# Altium PCB MCISO-P01-V04.PcbDoc (part 1 of 2)
Units mm, origin at the board's own origin, x right, y up, seen from the top; angles counter-clockwise.
Board outline 79.85 x 119.25 mm, 2 copper layers (Top Layer, Bottom Layer), stack 1.57 mm thick; 122 components, 80 nets, 453 pads, 48 vias.
Unrouted connection lines stored in the file: 3.
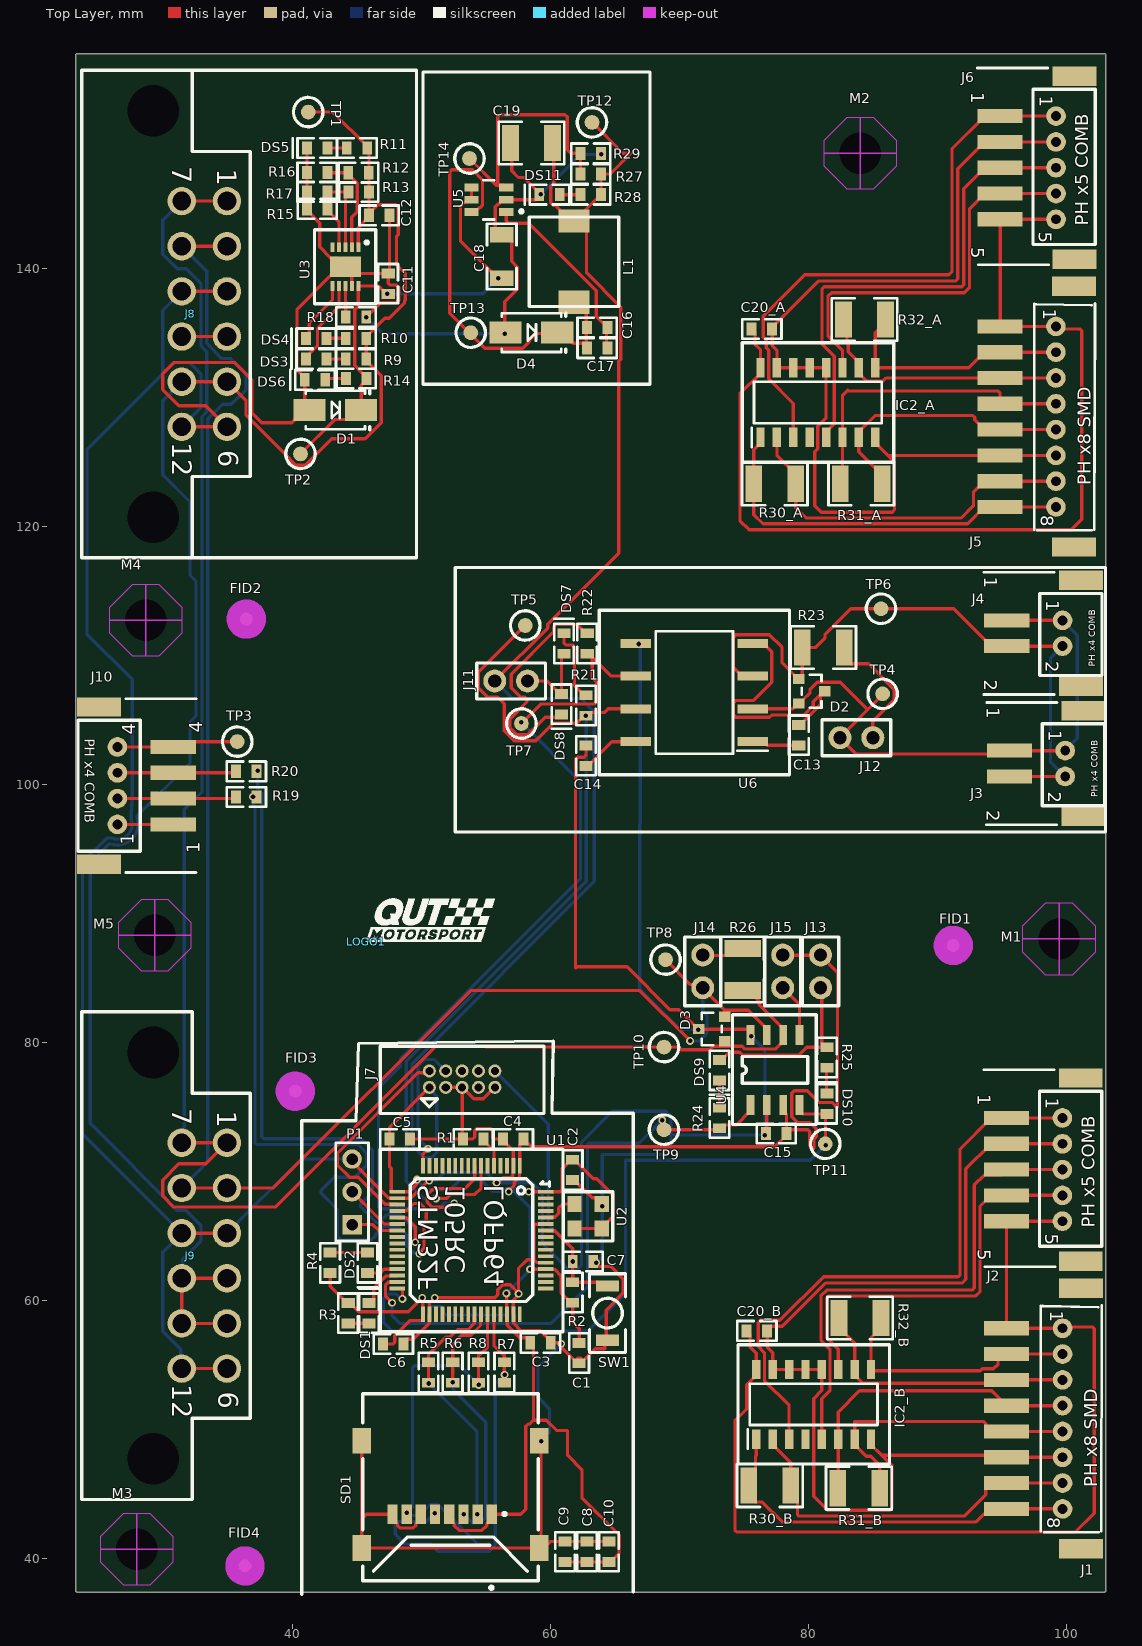
[diagram p0: Top Layer view]
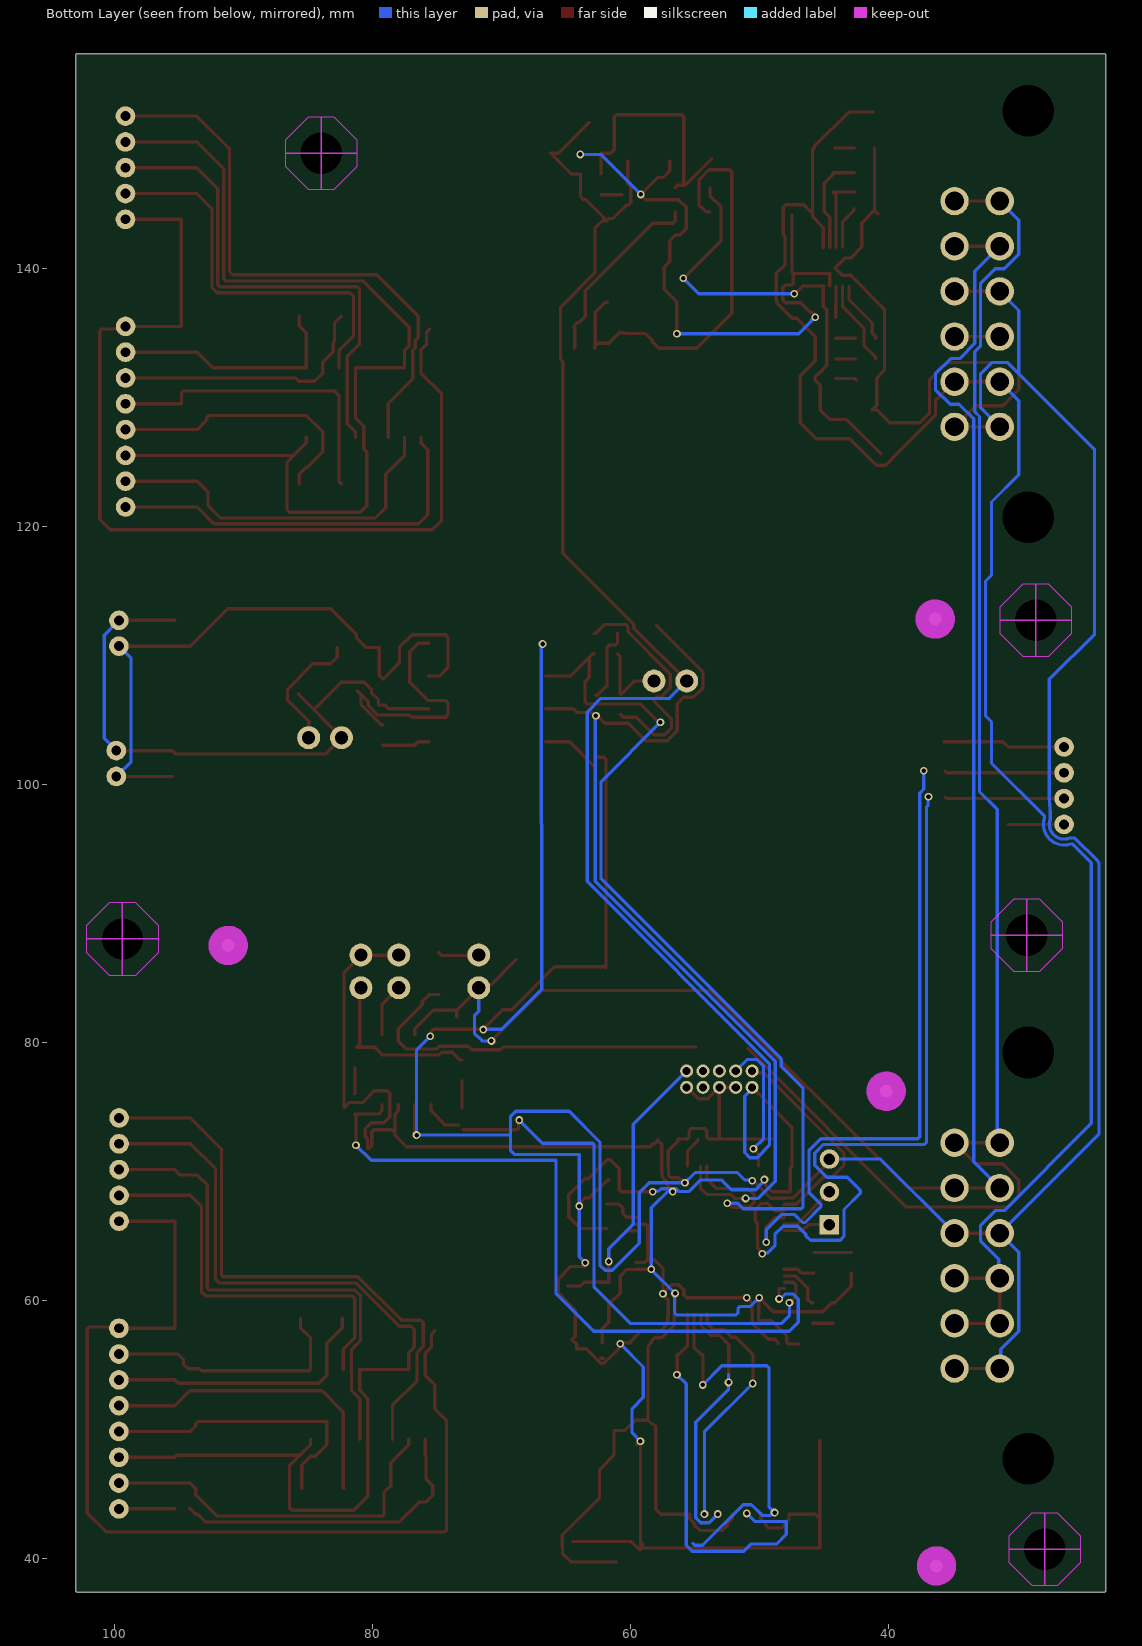
[diagram p1: Bottom Layer view, seen from below]
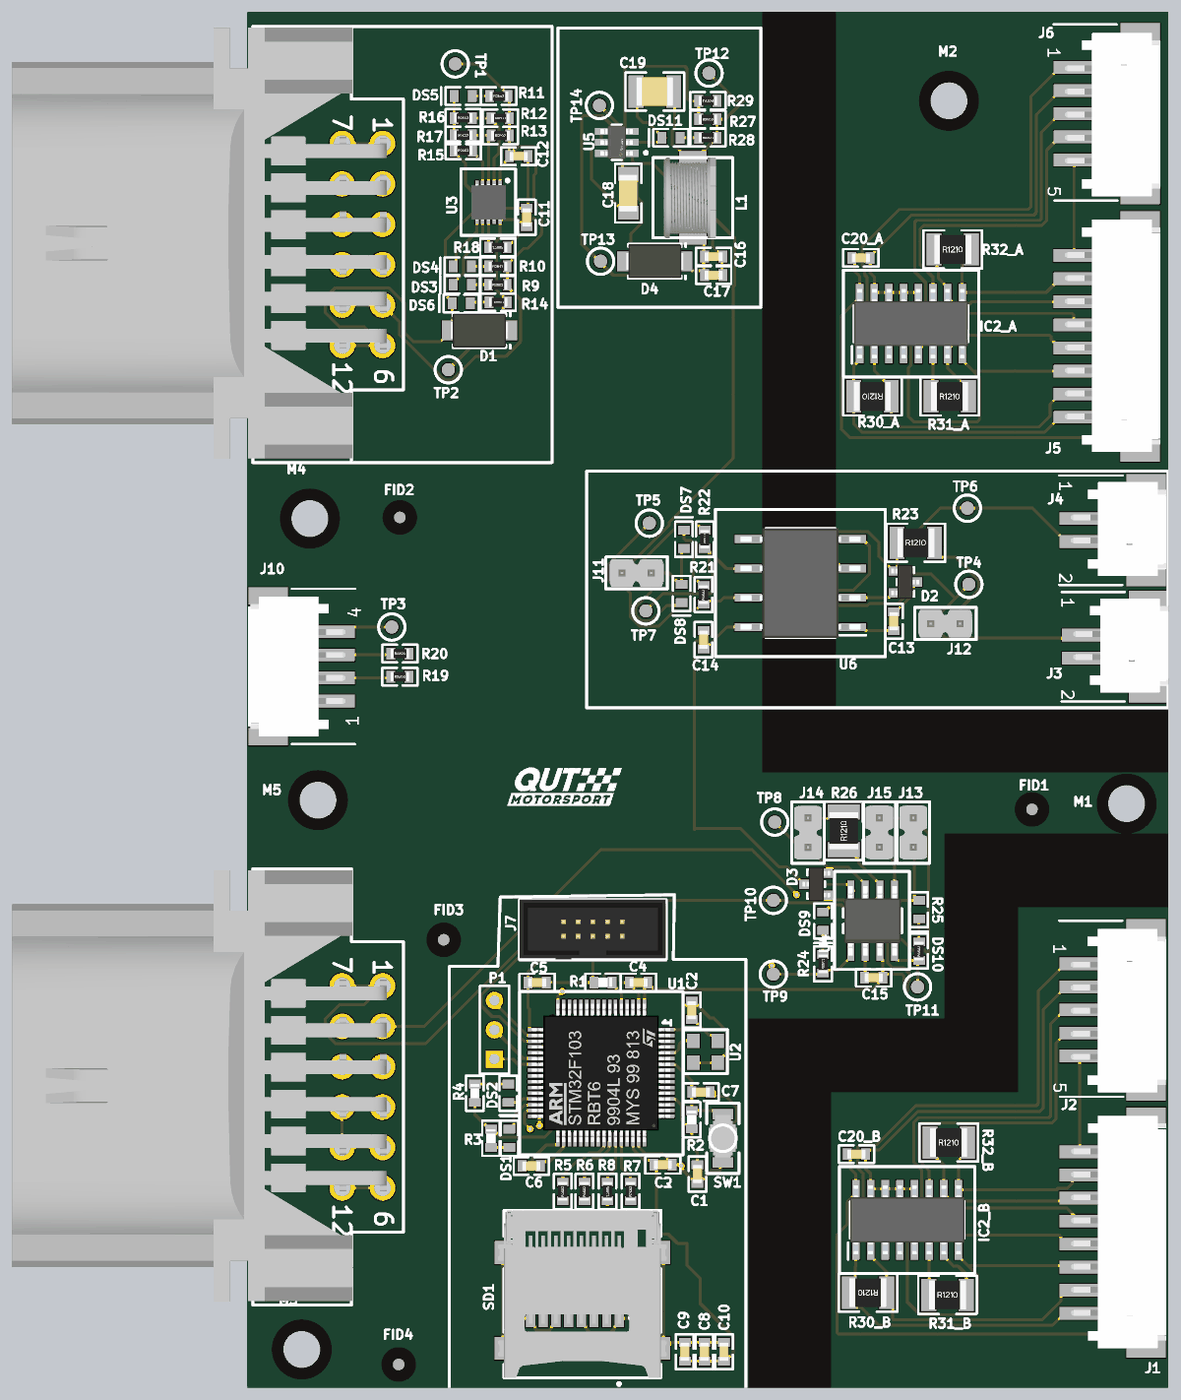
[diagram p3: 3D render of the assembled board from above, using the file's embedded part models]

## Layer stack, top to bottom
Top Solder: solder mask 0.0102, Solder Resist, Dk 3.5
Top Layer: signal copper 0.0356
Dielectric 1: core 1.4986, Core-043, Dk 4.3
Bottom Layer: signal copper 0.0356
Bottom Solder: solder mask 0.0102, Solder Resist, Dk 3.5

## Board outline
23.3,37.373 cw(c23.3,37.5) 23.173,37.5 23.173,156.5 cw(c23.3,156.5) 23.3,156.627 102.9,156.627 cw(c102.9,156.5) 103.027,156.5 103.027,37.5 cw(c102.9,37.5) 102.9,37.373

## Design rules (kind name [scope] priority, off if disabled: settings)
Clearance [All] p1: gap=0.254 ignorepadtopadclearanceinfootprint=FALSE except(0: Arc-Hole Track-Hole SMDPad-Hole THPad-Hole Via-Hole Fill-Hole Poly-Hole Region-Hole Text-Hole; 0.152: SMDPad-SMDPad; 0.178: Arc-SMDPad Track-SMDPad; 0.2: Arc-Arc Arc-Track Track-Track)
PolygonConnect [All] p1: connectstyle=Relief reliefconductorwidth=0.254 reliefentries=4 polygonreliefangle="90 Angle" airgapwidth=0.254
RoomDefinition MCISO-S01-V00-Master [InComponentClass('MCISO-S01-V00-Master')] p1 off: confinementstyle=ConfineIn formatcopy=TRUE lockcomponents=FALSE outline 205.5,15.2 91.2,15.2 91.2,223.763 205.5,223.763
RoomDefinition U_MCISO-S03-V00-CAN_MAIN [InComponentClass('U_MCISO-S03-V00-CAN_MAIN')] p2 off: confinementstyle=ConfineIn formatcopy=TRUE lockcomponents=FALSE outline 44.6,69.9 89.4,69.9 89.4,137.4 44.6,137.4
RoomDefinition U_MCISO-S02-V00-12VProtection [InComponentClass('U_MCISO-S02-V00-12VProtection')] p3 off: confinementstyle=ConfineIn formatcopy=TRUE lockcomponents=FALSE outline 65.9,36 0.1,36 0.1,157.5 65.9,157.5
RoomDefinition U_MCISO-S04-V00-Microcontroller [InComponentClass('U_MCISO-S04-V00-Microcontroller')] p4 off: confinementstyle=ConfineIn formatcopy=TRUE lockcomponents=FALSE outline 32.4,52.4 67.8,52.4 67.8,94.6 32.4,94.6
RoomDefinition U_MCISO-S07-V00-Master-PSU3V3-300mA [InComponentClass('U_MCISO-S07-V00-Master-PSU3V3-300mA')] p5 off: confinementstyle=ConfineIn formatcopy=TRUE lockcomponents=FALSE outline 47.8,129.1 69.2,129.1 69.2,156.9 47.8,156.9
RoomDefinition U_MCISO-S05-V00-CANIsolation [InComponentClass('U_MCISO-S05-V00-CANIsolation')] p6 off: confinementstyle=ConfineIn formatcopy=TRUE lockcomponents=FALSE outline 52.225,100.103 87.325,100.103 87.325,115.51 52.225,115.51
RoomDefinition A [InComponentClass('A')] p7 off: confinementstyle=ConfineIn formatcopy=TRUE lockcomponents=FALSE outline 74.3,116.9 102.6,116.9 102.6,156.3 74.3,156.3
RoomDefinition B [InComponentClass('B')] p8 off: confinementstyle=ConfineIn formatcopy=TRUE lockcomponents=FALSE outline 73.8,36.925 103.1,36.925 103.1,78.8 73.8,78.8
RoutingVias [All] p1: holewidth=0.35 width=0.6 viastyle="Through Hole" minholewidth=0.35 minwidth=0.6 maxholewidth=0.35 maxwidth=0.6
SolderMaskExpansion [All] p1: expansion=0.102 istentingtop=FALSE
Width [All] p1: maxlimit=0.254 minlimit=0.254 preferedwidth=0.254
30 further rules are at their usual default settings.

## Classes and differential pairs
component class B: C20_B IC2_B R30_B R31_B R32_B
component class A: C20_A IC2_A R30_A R31_A R32_A
channel class MCISO-S06-V00-HALL_DIFFB: "DIFF A" "DIFF B"
component class U_MCISO-S07-V00-Master-PSU3V3-300mA: C16 C17 C18 C19 D4 DS11 R27 R28 R29 TP12 TP13 TP14 U5
component class U_MCISO-S03-V00-CAN_MAIN: C15 D3 DS9 DS10 J13 J14 J15 R24 R25 R26 TP9 TP10 TP11 U4
component class U_MCISO-S02-V00-12VProtection: C8 C9 C10 C11 C12 D1 DS3 DS4 DS5 DS6 J8 J9 J10 R5 R6 R7 R8 R9 R10 R11 R12 R13 R14 R15 R16 R17 R18 R19 R20 SD1 TP1 TP2 TP3 U3
component class U_MCISO-S05-V00-CANIsolation: C13 C14 D2 DS7 DS8 J11 J12 R21 R22 R23 TP4 TP5 TP6 TP7 U6
component class U_MCISO-S04-V00-Microcontroller: C1 C2 C3 C4 C5 C6 C7 DS1 DS2 J7 P1 R1 R2 R3 R4 SW1 U1 U2
component class MCISO-S01-V00-Master: Connector? FID1 FID2 FID3 FID4 J1 J2 J3 J4 J5 J6 LOGO1 M1 M2 M3 M4 M5 NCM?

## Components (designator, comment, footprint, x,y, rotation, side; value= is the part's Value field where it differs from the comment)
C1 "100nF" Cap_Ceramic_0603 62.2,55.9 r90 top
C2 "100nF" Cap_Ceramic_0603 61.7,70.1 r90 top
C3 "100nF" Cap_Ceramic_0603 59.2,56.7 r180 top
C4 "100nF" Cap_Ceramic_0603 57.1,72.5 r0 top
C5 "4u7" Cap_Ceramic_0603 48.3,72.5 r180 top
C6 "100nF 100V" Cap_Ceramic_0603 47.8,56.6 r180 top
C7 "100nF 100V" Cap_Ceramic_0603 62.5,63 r180 top
C8 "4u7" Cap_Ceramic_0603 62.8,40.5 r270 top
C9 "1uF" Cap_Ceramic_0603 61.1,40.5 r270 top
C10 "100nF" Cap_Ceramic_0603 64.5,40.5 r270 top
C11 "4u7 50V 5%" Cap_Ceramic_0603 47.4,138.8 r270 top
C12 "470nF 50V 5%" Cap_Ceramic_0603 46.7,144.1 r180 top
C13 "4u7" Cap_Ceramic_0603 79.225,103.803 r270 top
C14 "4u7" Cap_Ceramic_0603 62.725,102.203 r270 top
C15 "100nF 100V" Cap_Ceramic_0603 77.48,72.919 r0 top
C16 "100nF 50V" Cap_Ceramic_0603 63.6,135.4 r180 top
C17 "100nF 50V" Cap_Ceramic_0603 63.6,133.8 r180 top
C18 "22uF 35V" Cap_Ceramic_1206 56.2,140.9 r90 top
C19 "47uF 16V 1210" Cap_Ceramic_1210 58.5,149.7 r0 top
C20_A "0.1u" Cap_Ceramic_0603 76.366,135.287 r180 top (schematic designator C20)
C20_B "0.1u" Cap_Ceramic_0603 75.979,57.625 r180 top (schematic designator C20)
D1 "1N4448WQ-7-F" SMA 43.3,129 r0 top
D2 "NUP2105L" NUP2105L 80.225,107.203 r270 top
D3 "NUP2105L" NUP2105L 72.48,81.019 r90 top
D4 "B260A-13-F" SMA 58.5,135 r0 top
DS1 "LED Orange" "LED ORANGE 0603" 45.9,59 r90 top
DS2 "LED Orange" "LED ORANGE 0603" 45.8,62.9 r270 top
DS3 "LED Red 0603" "LED RED 0603" 41.811,132.962 r180 top
DS4 "LED Red 0603" "LED RED 0603" 41.811,134.562 r180 top
DS5 "LED Green 0603" "LED GREEN 0603" 41.89,149.313 r180 top
DS6 "LED Green 0603" "LED GREEN 0603" 41.721,131.349 r180 top
DS7 "LED Blue 0603" "LED BLUE 0603" 61.025,110.903 r90 top
DS8 "LED Blue 0603" "LED BLUE 0603" 60.825,106.203 r270 top
DS9 "LED Blue 0603" "LED BLUE 0603" 73.08,77.819 r270 top
DS10 "LED Blue 0603" "LED BLUE 0603" 81.409,78.812 r270 top
DS11 "LED Green 0603" "LED GREEN 0603" 59.9,145.7 r180 top
FID1 "Fiducial 1MM" "FIDUCIAL 1MM" 91.2,87.5 r0 top
FID2 "Fiducial 1MM" "FIDUCIAL 1MM" 36.4,112.8 r90 top
FID3 "Fiducial 1MM" "FIDUCIAL 1MM" 40.2,76.2 r90 top
FID4 "Fiducial 1MM" "FIDUCIAL 1MM" 36.3,39.4 r90 top
IC2_A "AM26LS32ACDR" SOIC127P600X175-16N 80.708,129.587 r90 top (schematic designator IC2)
IC2_B "AM26LS32ACDR" SOIC127P600X175-16N 80.379,51.925 r90 top (schematic designator IC2)
J1 "JST PH 8x Right comb" "JST PH 8x RIGHT SMD" 102.589,52.825 r270 top
J2 "JST PH 5x RIGHT COMB" "JST PH 5x RIGHT COMB" 102.579,71.125 r270 top
J3 "JST PH 2x RIGHT COMB" "JST PH 2x RIGHT COMB" 102.8,99.6 r270 top
J4 "JST PH 2x RIGHT COMB" "JST PH 2x RIGHT COMB" 102.6,109.7 r270 top
J5 "JST PH 8x Right comb" "JST PH 8x RIGHT SMD" 102.066,130.487 r270 top
J6 "JST PH 5x RIGHT COMB" "JST PH 5x RIGHT COMB" 102.087,148.787 r270 top
J7 "IDC 10P 2x5 1.27mm" "IDC 1.27MM 10P" 53.13,77.135 r0 top
J8 "MX120G" MX120G 34.9,136.45 r270 top
J9 "MX120G" MX120G 34.9,63.45 r270 top
J10 "JST PH 4x RIGHT COMB" "JST PH 4x RIGHT COMB" 23.487,99.883 r90 top
J11 "Jumper 2Way Pins" Jumper_2Way_Pin 58.2,108 r0 top
J12 "Jumper 2Way Pins" Jumper_2Way_Pin 84.965,103.603 r0 top
J13 "Jumper 2Way Pins" Jumper_2Way_Pin 80.919,84.219 r270 top
J14 "Jumper 2Way Pins" Jumper_2Way_Pin 71.78,86.759 r90 top
J15 "Jumper 2Way Pins" Jumper_2Way_Pin 77.98,84.219 r270 top
L1 "47uH inductor" SDR7045-470K 61.8,140.5 r180 top
LOGO1 "50mm Wide QUTMS Logo" "QUTMS LOGO 10MM" 45.7,87.8 r0 top
M1 "Hole M3 Tight Unplated" "M3.2 UNPLATED" 99.4,88 r0 top
M2 "Hole M3 Tight Unplated" "M3.2 UNPLATED" 84,148.9 r0 top
M3 "Hole M3 Tight Unplated" "M3.2 UNPLATED" 27.9,40.7 r0 top
M4 "Hole M3 Tight Unplated" "M3.2 UNPLATED" 28.6,112.7 r0 top
M5 "Hole M3 Tight Unplated" "M3.2 UNPLATED" 29.3,88.3 r0 top
P1 "Header 3" HDR1X3 44.6,65.86 r90 top
R1 "10k 1% 0603" Res_ThinFilm_0603 54,72.5 r0 top
R2 "4k7" Res_ThinFilm_0603 61.7,60.6 r270 top
R3 "330R" Res_ThinFilm_0603 44.3,59 r90 top
R4 "330R" Res_ThinFilm_0603 42.9,62.9 r270 top
R5 "220R" Res_ThinFilm_0603 50.52,54.4 r90 top
R6 "220R" Res_ThinFilm_0603 52.4,54.4 r90 top
R7 "220R" Res_ThinFilm_0603 56.4,54.4 r90 top
R8 "220R" Res_ThinFilm_0603 54.4,54.4 r270 top
R9 "4k7 5% 0603" Res_ThinFilm_0603 44.905,132.962 r0 top
R10 "4k7 5% 0603" Res_ThinFilm_0603 44.904,134.562 r0 top
R11 "4k7 5% 0603" Res_ThinFilm_0603 44.984,149.313 r0 top
R12 "2M2 1%" Res_ThinFilm_0603 45.1,147.4 r0 top
R13 "2M2 1%" Res_ThinFilm_0603 45.113,145.9 r0 top
R14 "4k7 5% 0603" Res_ThinFilm_0603 44.921,131.449 r0 top
R15 "150k 5% 0603" Res_ThinFilm_0603 41.9,144.6 r0 top
R16 "390k 5%" Res_ThinFilm_0603 41.89,147.413 r0 top
R17 "240k 5%" Res_ThinFilm_0603 41.89,145.913 r0 top
R18 "1k 5% 0603" Res_ThinFilm_0603 44.9,136.2 r180 top
R19 "22R" Res_ThinFilm_0603 36.4,99 r0 top
R20 "22R" Res_ThinFilm_0603 36.407,101 r0 top
R21 "330R" Res_ThinFilm_0603 62.725,106.103 r90 top
R22 "330R" Res_ThinFilm_0603 62.825,110.903 r90 top
R23 "120R 1% 1210" Res_ThinFilm_1210 81.125,110.603 r0 top
R24 "330R" Res_ThinFilm_0603 73.08,74.119 r90 top
R25 "330R" Res_ThinFilm_0603 81.409,75.219 r90 top
R26 "120R 1% 1210" Res_ThinFilm_1210 74.88,85.641 r90 top
R27 "64k9 1%" Res_ThinFilm_0603 63.1,147.3 r0 top
R28 "1k" Res_ThinFilm_0603 63.1,145.7 r0 top
R29 "19k6 1%" Res_ThinFilm_0603 63.1,148.9 r180 top
R30_A "120R" Res_ThinFilm_1210 77.366,123.287 r180 top (schematic designator R30)
R30_B "120R" Res_ThinFilm_1210 76.979,45.625 r180 top (schematic designator R30)
R31_A "120R" Res_ThinFilm_1210 84.066,123.287 r0 top (schematic designator R31)
R31_B "120R" Res_ThinFilm_1210 83.879,45.425 r0 top (schematic designator R31)
R32_A "120R" Res_ThinFilm_1210 84.327,136.025 r0 top (schematic designator R32)
R32_B "120R" Res_ThinFilm_1210 83.979,58.625 r0 top (schematic designator R32)
SD1 "47219-2001" 47219-2001 52.225,44.95 r180 top
SW1 "B3U-1000P" "BTN B3U-1000P" 64.4,59 r90 top
TP1 "TestPoint" TestPointSMD 41.2,152.1 r270 top
TP2 "TestPoint" TestPointSMD 40.6,125.6 r270 top
TP3 "TestPoint" TestPointSMD 35.7,103.3 r0 top
TP4 "TestPoint_SMD" TestPointSMD 85.725,107.003 r0 top
TP5 "TestPoint_SMD" TestPointSMD 58.025,112.303 r0 top
TP6 "TestPoint_SMD" TestPointSMD 85.6,113.6 r0 top
TP7 "TestPoint_SMD" TestPointSMD 57.725,104.703 r0 top
TP8 "TestPoint_SMD" TestPointSMD 68.9,86.4 r90 top
TP9 "TestPoint_SMD" TestPointSMD 68.78,73.219 r90 top
TP10 "TestPoint_SMD" TestPointSMD 68.78,79.619 r180 top
TP11 "TestPoint_SMD" TestPointSMD 81.28,72.119 r180 top
TP12 "TestPoint_SMD" TestPointSMD 63.2,151.3 r0 top
TP13 "TestPoint_SMD" TestPointSMD 53.8,135 r180 top
TP14 "TestPoint_SMD" TestPointSMD 53.7,148.5 r180 top
U1 "STM32F105RC" STM32F105RC 59.6,68.407 r270 top
U2 "DSC1001DI1-008.0000T" DSC1001DI1-008.0000TCT-ND 62.9,66.5 r90 top
U3 "MAX17612A" MAX17612A 44.083,140.113 r270 top
U4 "SN65HVD233" SN65HVD233DR 77.38,77.849 r90 top
U5 "LMR14010ADDCR" FP-DDC0006A-MFG 55.2,145.3 r180 top
U6 "ISO1050DUBR" SOP254P1040X485-8N 71.125,107.11 r180 top

## Footprints (in the part's own frame and the unit in brackets; to place one, negate y for a bottom-side part, rotate by r counter-clockwise, add the part's x,y. Pads: shape width x height; smd on the part's side, far side on the other; paste and mask are expansions set on the pad)
47219-2001 [mm]
  rect 0.8x1.5 smd: 1(-3.205,1.55) 2(-2.105,1.55) 3(-1.005,1.55) 4(0.095,1.55) 5(1.195,1.55) 6(2.295,1.55) 7(3.395,1.55) 8(4.495,1.55)
  rect 1.45x2 smd: 9(6.875,4.15) 10(6.875,-4.15) 11(-6.875,-4.15) 12(-6.875,4.15)
  silkscreen extent -6.8,-7.8 6.8,7.36, body extent -7.3,-7.79 7.3,6.71, height 1.91
"BTN B3U-1000P" [mil] "OMRON B3U-1000P"
  rect 35x70 smd: 1(-82.68,0) 2(82.68,0)
  silkscreen extent -120,-55 120,55, body extent -79,-49 79,49
Cap_Ceramic_0603 [mil]
  rect 30x40 smd: 1(-31.24,0) 2(31.24,0)
  silkscreen extent -60,-30 60,30, body extent -31,-16 31,16, height 33
Cap_Ceramic_1206 [mil]
  rect 47x71 smd: 1(-66.08,0) 2(66.08,0)
  silkscreen extent -100,-45 100,45, body extent -63,-31 63,32, height 53
Cap_Ceramic_1210 [mm]
  rect 1.3x2.8 smd: 1(-1.625,0) 2(1.625,0)
  silkscreen extent -2.54,-1.65 2.54,1.65, body extent -1.6,-1.25 1.6,1.25, height 1.35
DSC1001DI1-008.0000TCT-ND [mm]
  rect 1.219x1.092 smd: 1(-0.95,-1.05) 2(0.95,-1.05) 3(0.95,1.05) 4(-0.95,1.05)
  silkscreen extent -1.91,-1.91 1.91,1.91, body extent -1.25,-1.6 1.25,1.6, height 0.85
"FIDUCIAL 1MM" [mm]
  round 1 smd mask+1: 1(0,0)
  round 1 smd far side mask+1: 1(0,0)
  Keep-Out Layer circle w1.524: c0,0 r0.762
FP-DDC0006A-MFG [mm]
  rect 1.1x0.6 smd paste+0 mask+0: 1(-1.35,0.95) 2(-1.35,0) 3(-1.35,-0.95) 4(1.35,-0.95) 5(1.35,0) 6(1.35,0.95)
  silkscreen extent -2.65,-1.53 0.43,1.53, body extent -2,-1.63 2,1.63, height 0.25
HDR1X3 [mm] "Connector; Header; 3 Position"
  rect 1.5x1.5 hole 0.9: 1(0,0)
  round 1.5 hole 0.9: 2(2.54,0) 3(5.08,0)
  silkscreen extent -1.27,-1.27 6.35,1.27
"IDC 1.27MM 10P" [mil]
  round 40 hole 25: 1(-100,-25) 2(-100,25) 3(-50,-25) 4(-50,25) 5(0,-25) 6(0,25) 7(50,-25) 8(50,25) 9(100,-25) 10(100,25)
  silkscreen extent -250,-105 250,100, body extent -249,-104 249,100, height 214
"JST PH 2x RIGHT COMB" [mm]
  round 1.524 hole 0.762: 1(-3,-2.921) 2(-1,-2.921)
  rect 1.1x3.5 smd: 1(-3,-7.25) 2(-1,-7.25)
  rect 1.5x3.4 smd: M(-6.1,-1.5) M(2.1,-1.5)
  silkscreen extent -6.73,-9.04 2.75,0.13, body extent -6.17,-8.03 1.97,0.23, height 5.89
"JST PH 4x RIGHT COMB" [mm]
  round 1.524 hole 0.762: 1(-3,-2.921) 2(-1,-2.921) 3(1,-2.921) 4(3,-2.921)
  rect 1.1x3.5 smd: 1(-3,-7.25) 2(-1,-7.25) 3(1,-7.25) 4(3,-7.25)
  rect 1.5x3.4 smd: M(-6.1,-1.5) M(6.1,-1.5)
  silkscreen extent -6.73,-9.02 6.73,0.13, body extent -6.07,-8.2 6.07,0.06, height 5.89
"JST PH 5x RIGHT COMB" [mm]
  round 1.524 hole 0.762: 1(-3,-2.921) 2(-1,-2.921) 3(1,-2.921) 4(3,-2.921) 5(5,-2.921)
  rect 1.1x3.5 smd: 1(-3,-7.25) 2(-1,-7.25) 3(1,-7.25) 4(3,-7.25) 5(5,-7.25)
  rect 1.5x3.4 smd: M(-6.1,-1.5) M(8.1,-1.5)
  silkscreen extent -6.73,-9.02 8.53,0.13, body extent -6,-8.03 8.15,0.23, height 5.89
"JST PH 8x RIGHT SMD" [mm]
  round 1.524 hole 0.762: 1(-5,-2.91) 2(-3,-2.91) 3(-1,-2.91) 4(1,-2.91) 5(3,-2.91) 6(5,-2.91) 7(7,-2.91) 8(9,-2.91)
  rect 1.1x3.5 smd: 1(-5,-7.25) 2(-3,-7.25) 3(-1,-7.25) 4(1,-7.25) 5(3,-7.25) 6(5,-7.25) 7(7,-7.25) 8(9,-7.25)
  rect 1.5x3.4 smd: M(-8.1,-1.5) M(12.1,-1.5)
  silkscreen extent -6.78,-4.6 10.8,0.13, body extent -8.12,-8 12.03,0.25, height 5.89
Jumper_2Way_Pin [mil]
  round 70 hole 40: 1(-100,0) 2(0,0)
  silkscreen extent -155,-55 55,55, body extent -142,-48 42,47, height 332
"LED BLUE 0603" [mil]
  rect 30x40 smd: 1(-31.24,0) 2(31.24,0)
  silkscreen extent -60,-30 75,30, body extent -40,-20 40,20, height 30
"LED GREEN 0603" [mil]
  rect 30x40 smd: 1(-31.24,0) 2(31.24,0)
  silkscreen extent -60,-30 75,30, body extent -40,-20 40,20, height 30
"LED ORANGE 0603" [mil]
  rect 30x40 smd: 1(-31.24,0) 2(31.24,0)
  silkscreen extent -60,-30 75,30, body extent -40,-20 40,20, height 30
"LED RED 0603" [mil]
  rect 30x40 smd: 1(-31.24,0) 2(31.24,0)
  silkscreen extent -60,-30 75,30, body extent -40,-20 40,20, height 30
"M3.2 UNPLATED" [mm]
  round 0 hole 3.2 unplated mask+2.6: 1(0,0)
  Keep-Out Layer pour cut-out: 0,-2.794 -1.016,-2.794 -2.794,-1.016 -2.794,0 0,0
  Keep-Out Layer pour cut-out: 2.794,0 2.794,-1.016 1.016,-2.794 0,-2.794 0,0
  Keep-Out Layer pour cut-out: 0,2.794 1.016,2.794 2.794,1.016 2.794,0 0,0
  Keep-Out Layer pour cut-out: -2.794,0 -2.794,1.016 -1.016,2.794 0,2.794 0,0
MAX17612A [mm]
  rect 0.75x0.3 smd: 1(-1.5,1) 2(-1.5,0.5) 3(-1.5,0) 4(-1.5,-0.5) 5(-1.5,-1) 6(1.5,-1) 7(1.5,-0.5) 8(1.5,0) 9(1.5,0.5) 10(1.5,1)
  rect 1.6x2.4 smd: 11(0,0)
  silkscreen extent -2.87,-2.4 2.87,2.35, body extent -1.55,-1.5 1.55,1.5, height 0.8
MX120G [mm]
  round 2.2 hole 1.45: 1(-8.75,0) 2(-5.25,0) 3(-1.75,0) 4(1.75,0) 5(5.25,0) 6(8.75,0) 7(-8.75,-3.5) 8(-5.25,-3.5) 9(-1.75,-3.5) 10(1.75,-3.5) 11(5.25,-3.5) 12(8.75,-3.5)
  round 0 hole 4 mask+0.254: NC(-15.75,-5.7) NC(15.75,-5.7)
  silkscreen extent -18.9,-11.25 18.9,1.8, body extent -18.78,-32.1 18.58,0.36, height 24.48
NUP2105L [mm]
  rect 0.8x0.9 smd: 1(-0.95,-1) 2(0.95,-1) 3(0,1)
  silkscreen extent -1.27,-0.76 1.27,0.76, body extent -1.45,-1.22 1.45,1.18, height 1
"QUTMS LOGO 10MM" [mm]
  silkscreen extent 0,0 9.96,3.34
Res_ThinFilm_0603 [mil]
  rect 30x40 smd: 1(-31.24,0) 2(31.24,0)
  silkscreen extent -60,-30 60,30, body extent -31,-16 31,16
Res_ThinFilm_1210 [mm]
  rect 1.3x2.8 smd: 1(-1.625,0) 2(1.625,0)
  silkscreen extent -2.54,-1.65 2.54,1.65, body extent -1.6,-1.25 1.6,1.25, height 0.6
SDR7045-470K [mm]
  rect 2.4x1.8 smd: 1(0,3.15) 2(0,-3.15)
  silkscreen extent -3.47,-3.47 3.47,3.47, body extent -2,-3.47 2.5,3.52, height 3.5
SMA [mm]
  rect 2.5x1.7 smd: A(-2,0) K(2,0)
  silkscreen extent -2.3,-1.52 2.67,1.52, body extent -2.52,-1.46 2.52,1.46, height 2.4
SN65HVD233DR [mm]
  rect 1.55x0.6 smd: 1(-2.7,1.903) 2(-2.7,0.633) 3(-2.7,-0.637) 4(-2.7,-1.907) 5(2.7,-1.907) 6(2.7,-0.637) 7(2.7,0.633) 8(2.7,1.903)
  silkscreen extent -4.23,-3.2 4.28,3.3, body extent -3.01,-2.45 3.01,2.45, height 1.63
SOIC127P600X175-16N [mm]
  rect 1.5x0.65 smd: 1(-2.7,4.445) 2(-2.7,3.175) 3(-2.7,1.905) 4(-2.7,0.635) 5(-2.7,-0.635) 6(-2.7,-1.905) 7(-2.7,-3.175) 8(-2.7,-4.445) 9(2.7,-4.445) 10(2.7,-3.175) 11(2.7,-1.905) 12(2.7,-0.635) 13(2.7,0.635) 14(2.7,1.905) 15(2.7,3.175) 16(2.7,4.445)
  silkscreen extent -4.62,-5.87 4.62,5.87, body extent -3,-4.95 3,4.95, height 1.75
SOP254P1040X485-8N [mm]
  rect 2.35x0.7 smd: 1(-4.525,3.81) 2(-4.525,1.27) 3(-4.525,-1.27) 4(-4.525,-3.81) 5(4.525,-3.81) 6(4.525,-1.27) 7(4.525,1.27) 8(4.525,3.81)
  silkscreen extent -7.37,-6.37 7.37,6.37, body extent -5.2,-4.75 5.2,4.75, height 4.85
STM32F105RC [mm]
  rect 0.3x1.2 smd: 1(0,0) 2(0.5,0) 3(1,0) 4(1.5,0) 5(2,0) 6(2.5,0) 7(3,0) 8(3.5,0) 9(4,0) 10(4.5,0) 11(5,0) 12(5.5,0) 13(6,0) 14(6.5,0) 15(7,0) 16(7.5,0) 33(7.5,-11.5) 34(7,-11.5) 35(6.5,-11.5) 36(6,-11.5) 37(5.5,-11.5) 38(5,-11.5) 39(4.5,-11.5) 40(4,-11.5) 41(3.5,-11.5) 42(3,-11.5) 43(2.5,-11.5) 44(2,-11.5) 45(1.5,-11.5) 46(1,-11.5) 47(0.5,-11.5) 48(0,-11.5)
  rect 1.2x0.3 smd: 17(9.5,-2) 18(9.5,-2.5) 19(9.5,-3) 20(9.5,-3.5) 21(9.5,-4) 22(9.5,-4.5) 23(9.5,-5) 24(9.5,-5.5) 25(9.5,-6) 26(9.5,-6.5) 27(9.5,-7) 28(9.5,-7.5) 29(9.5,-8) 30(9.5,-8.5) 31(9.5,-9) 32(9.5,-9.5) 49(-2,-9.5) 50(-2,-9) 51(-2,-8.5) 52(-2,-8) 53(-2,-7.5) 54(-2,-7) 55(-2,-6.5) 56(-2,-6) 57(-2,-5.5) 58(-2,-5) 59(-2,-4.5) 60(-2,-4) 61(-2,-3.5) 62(-2,-3) 63(-2,-2.5) 64(-2,-2)
  silkscreen extent -3.3,-12.83 10.85,1.35, body extent -2.25,-11.75 9.75,0.25, height 1.6
TestPointSMD [mil]
  round 45 smd: 1(0,0)
  silkscreen extent -45,-45 45,45

## Part data
C1 C2 C3 C4 C10 C16 C17: library part "100nF 50V 5% X7R 0603", "Capacitor, Ceramic, SMD, 100nF, 50V, 5%, X7R, 0603"
C5 C8 C11 C13 C14 C20_A C20_B: library part "4u7 50V 5% X7R 0603", "Capacitor, Ceramic, SMD, 4u7, 50V, 5%, X7R, 0603"
C6 C7 C15: library part "100nF 100V 5% X7R 0603", "Capacitor, Ceramic, SMD, 100nF, 100V, 5%, X7R, 0603"
C9: library part "1uF 25V 5% X7R 0603", "Capacitor, Ceramic, SMD, 1uF, 25V, 5%, X7R, 0603"
C12: library part "470nF 50V 5% X7R 0603", "Capacitor, Ceramic, SMD, 470nF, 50V, 5%, X7R, 0603"
C18: library part "22uF 35V 20% X5R 1206", "22µF ±20% 35V Ceramic Capacitor X5R 1206 (3216 Metric)", ComponentLink1Description=Digikey, ComponentLink1URL=https://www.digikey.com.au/product-detail/en/tdk-corporation/C3216X5R1V226M160AC/445-8045-1-ND/2792165, ComponentLink2Description=Datasheet, ComponentLink2URL=https://product.tdk.com/info/en/catalog/datasheets/mlcc_commercial_general_en.pdf
C19: library part "47uF 16V 10% X7R 1210", "Capacitor, Ceramic, SMD, 47uF, 16V, 5%, X7R, 1210"
D1: "Diode, SMD, 75V, 5%, 250mA, SOD123", Average Rectified Current=150mA, Forward Voltage=1V, Manufacturer="ON Semiconductor / Fairchild", Manufacturer Part Number=1N914BWS, Max Forward Surge Current (Ifsm)=4A, Max Operating Temperature=150°C, Max Repetitive Reverse Voltage (Vrrm)=75V, Max Reverse Leakage Current=5uA, Min Operating Temperature=-55°C, Package Quantity=1, Power Dissipation=200mW, Category="Rectifier Diodes", Contact Plating=Tin,Matte, Element Configuration=Single, Forward Current=150mA, Height=1mm, Lead Free="Lead Free", Length=1.8mm, Max Reverse Voltage (DC)=75V, Mount="Surface Mount", Number of Pins=2, Packaging="Tape and Reel", Peak Reverse Current=5uA, Radiation Hardening=No, REACH SVHC="No SVHC", Recovery Time=4ns, Reverse Recovery Time=4ns, Reverse Voltage=75V, Weight=0.0276g, Width=1.35mm
D4: "Diode, Schottky Barrier Rectifier, 60 V, 2 A, B260A-13-F"
DS1 DS2: library part "LED ORANGE 0603"
DS7 DS8 DS9 DS10: library part "LED BLUE 0603"
IC2_A IC2_B: "Integrated Circuit", Manufacturer_Name="Texas Instruments", Mouser Part Number=595-AM26LS32ACDR, Arrow Part Number=AM26LS32ACDR, Arrow Price/Stock=https://www.arrow.com/en/products/am26ls32acdr/texas-instruments, Datasheet Link=http://www.ti.com/lit/gpn/am26ls32ac, Height=1.75mm, Manufacturer_Part_Number=AM26LS32ACDR, Mouser Price/Stock=https://www.mouser.co.uk/ProductDetail/Texas-Instruments/AM26LS32ACDR/?qs=L4Mc90zKIpjEhSPPcfdoEw%3D%3D
J8 J9: "MX120G with standard connector layout"
J11 J12 J13 J14 J15: library part "Jumper 2Way Side Pins", "Jumper 2Way Side Pins"
L1: library part SDR7045-470K, "Inductor"
LOGO1: library part "QUTMS Logo 50mm"
M1 M2 M3 M4 M5: "M3.2 Hole, No Plating"
P1: "Header, 3-Pin", LatestRevisionDate=17-Jul-2002, LatestRevisionNote="Re-released for DXP Platform.", Publisher="Altium Limited"
R1: library part "20k 1% 0603", "Resistor, SMD, 20k, 0.1W, 5%, 0603"
R2: library part "4k7 5% 0603", "Resistor, SMD, 4k7, 0.1W, 5%, 0603"
R3 R4 R21 R22 R24 R25: library part "330R 5% 0603", "Resistor, SMD, 330R, 0.1W, 5%, 0603"
R5 R6 R7 R8: library part "220R 5% 0603", "Resistor, SMD, 220R, 0.1W, 5%, 0603"
R9 R10 R11 R14: "Resistor, SMD, 4k7, 0.1W, 5%, 0603"
R12 R13: library part "2M2 1% 0603", "Resistor, SMD, 2M2, 0.125W, 1%, 0603"
R15: library part "150k 5%, 0603", "Resistor, SMD, 150k, 0.1W, 5%, 0603"
R16: library part "390k 5% 0603", "Resistor, SMD, 390k, 0.1W, 5%, 0603"
R17: library part "240k 5% 0603", "Resistor, SMD, 240k, 0.1W, 5%, 0603"
R18: "Resistor, SMD, 1k, 0.1W, 5%, 0603"
R19 R20: library part "22R 1% 0603", "Resistor, SMD, 22R, 0.1W, 1%, 0603"
R23 R26: "Resistor, SMD, 120R, 0.25W, 1%, 1210"
R27: library part "64k9 1% 0603", "Resistor, SMD, 64k9, 0.1W, 5%, 0603"
R28: library part "1k 5% 0603", "Resistor, SMD, 1k, 0.1W, 5%, 0603"
R29: library part "19k6 1% 0603", "Resistor, SMD, 19k6, 0.1W, 5%, 0603"
R30_A R30_B R31_A R31_B R32_A R32_B: library part "120R 1% 1210", "Resistor, SMD, 120R, 0.25W, 1%, 1210"
SD1: "MicroSD Card Connector, Hinge Type, -40 to 85 degC, 8-Pin SMD, RoHS, Tape and Reel"
SW1: library part "BTN B3U-1000P", "Omron B3U-1000P Ultra Miniture Switch", ComponentLink1Description=LCSC, ComponentLink1URL=https://lcsc.com/product-detail/Tactile-Switches_BRIGHT-TSA063G50-250_C294565.html
U1: "ARM® Cortex®-M3 STM32F1 Microcontroller IC 32-Bit 72MHz 256KB (256K x 8) FLASH 64-LQFP (10x10)", ComponentLink1Description=Digikey, ComponentLink1URL=https://www.digikey.com.au/product-detail/en/stmicroelectronics/STM32F105RCT6TR/497-17397-1-ND/8024118, ComponentLink2Description=Datasheet, ComponentLink2URL=https://www.st.com/content/ccc/resource/technical/document/datasheet/e4/f3/1a/89/5a/02/46/ae/CD00220364.pdf/files/CD00220364.pdf/jcr:content/translations/en.CD00220364.pdf
U2: "on 8MHz XO (Standard) CMOS Oscillator 1.8 ~ 3.3V Standby (Power Down) 4-SMD, No Lead"
U3: "4.5V to 60V, 250mA Current-Limiter with OV, UV, and Reverse Protection", ComponentLink1Description=Datasheet, ComponentLink1URL=https://datasheets.maximintegrated.com/en/ds/MAX17612A-MAX17612C.pdf
U5: library part CMP-04918-000056-1, "IC REG BUCK ADJ 1A TSOT23-6", Manufacturer="Texas Instruments", Max Junction Temp=+125°C, Max Supply Voltage=40V, Min Supply Voltage=4V, Output Current=1A, Package=DDC0006A, Switching Frequency=700kHz, Temperature="-40°C to +125°C", Temperature Range Low=-40°C, Automotive=No, Category=IC, ComponentLink2Description=Datasheet, ComponentLink2URL=https://www.ti.com/lit/ds/symlink/lmr14010a.pdf, Device Class L1="Integrated Circuits (ICs)", Device Class L2="Power Management ICs", Device Class L3="Voltage Regulators - Switching", Digikey Description="IC REG BUCK ADJ 1A TSOT23-6", Height=1.1mm, Ipc Land Pattern Name=SOT95P280X110-6, Lead Free=Yes, Manufacturer Part Number=LMR14010ADDCR, Max Duty Cycle=96%, Mouser Description="4-V to 40-V, 1-A Step-Down Converter With High Efficiency Eco-Mode 6-SOT-23-THIN -40 to 125", Number Of Outputs=1, Octopart=https://octopart.com/lmr14010addcr-texas+instruments-90753290, Output Type=AdjustableProgrammable, RoHS=TRUE, Standoff Height=0mm, Switching Topology=Buck, Temperature Range High=+125°C
U6: "Integrated Circuit", Manufacturer_Name="Texas Instruments", Mouser Part Number=595-ISO1050DUBR, Arrow Part Number=ISO1050DUBR, Arrow Price/Stock=https://www.arrow.com/en/products/iso1050dubr/texas-instruments, Datasheet Link=http://www.ti.com/lit/ds/symlink/iso1050.pdf, Height=4.85mm, Manufacturer_Part_Number=ISO1050DUBR, Mouser Price/Stock=https://www.mouser.co.uk/ProductDetail/Texas-Instruments/ISO1050DUBR?qs=IK5e5L0zOXhhp9hdAolE%252BA%3D%3D
D2 D3: ComponentLink1Description=Datasheet, ComponentLink1URL=https://www.onsemi.cn/PowerSolutions/document/NUP2105L-D.PDF, ComponentLink2Description=LCSC, ComponentLink2URL=https://lcsc.com/product-detail/TVS_ON-Semiconductor-NUP2105LT1G_C14486.html, ComponentLink3Description=Digikey, ComponentLink3URL=https://www.digikey.com.au/product-detail/en/on-semiconductor/SZNUP2105LT1G/SZNUP2105LT1GOSCT-ND/3487669
U4: ComponentLink1Description=LCSC, ComponentLink1URL=https://lcsc.com/product-detail/CAN-ICs_Texas-Instruments_SN65HVD233DRG4_Texas-Instruments-Texas-Instruments-SN65HVD233DRG4_C61643.html, ComponentLink2Description=Digikey, ComponentLink2URL=https://www.digikey.com.au/product-detail/en/texas-instruments/SN65HVD233DR/296-35967-1-ND/4134960, ComponentLink3Description=Datasheet, ComponentLink3URL=https://www.ti.com/lit/ds/symlink/sn65hvd233.pdf?ts=1588560888178, ComponentLink4Description="Ti Product Page", ComponentLink4URL=https://www.ti.com/product/SN65HVD233

## Via types
v1: diameter 0.6, hole 0.35, Top Layer to Bottom Layer, 48 vias

## Nets (pads, with @x,y where several pads share a name; then routed paths per layer and width w, separated by ;. In a path a pad name is that pad's centre, name@x,y a point inside that pad or via, vN(x,y) a via of type N, cw(c..) or ccw(c..) an arc to the next point about the centre after c; other vN are vias at no path point)
3V3: C1.2 C2.2 C3.2 C4.2 C5.2 C6.2 C8.2 C9.2 C10.2 C15.2 C19.2 J7.1 J11.1 J13.1 J15.1 L1.2 R2.2 R3.2 R4.2 R27.2 R28.2 SD1.1 SD1.4 TP12.1 U1.1 U1.13 U1.19 U1.32 U1.48 U1.64 U2.1 U2.4 U4.3 | length 294.5
  Top Layer w0.254: R4.2@42.9,62.107 42.9,61.066 44.173,59.793 R3.2@44.3,59.793 44.427,59.793 45.12,59.1 48.943,59.1 v1(50.04,60.197) 50.068,60.225 50.084,60.21 U1.32@50.084,58.907 ; C6.2@47.007,56.6 47.759,56.6 47.908,56.749 47.908,57.234 49.107,58.434 50.077,58.434 50.1,58.457 U1.32@50.1,58.907 ; v1(49.639,69.348) 49.573,69.282 49.573,68.961 49.018,68.407 U1.48@48.1,68.407 47.65,68.407 47.627,68.43 47.627,70.214 47.507,70.335 C5.2@47.507,72.5 47.507,73.417 J7.1@50.59,76.5 ; SD1.4@52.13,43.4 52.13,43.05 52.525,42.655 52.525,42.524 52.899,42.15 54.661,42.15 55.035,42.524 55.035,42.655 55.43,43.05 SD1.1@55.43,43.4 57.665,43.4 58.07,43.805 58.07,50.226 58.249,50.405 58.365,50.405 58.661,50.7 ; J11.1@55.66,108 59.758,112.098 59.758,112.392 65.279,117.912 65.279,132.788 65.427,132.937 65.436,132.937 65.436,136.987 62.773,139.65 62.773,143.077 62,143.85 63.469,145.319 63.639,145.319 63.893,145.573 R28.2@63.893,145.7 R27.2@63.893,147.3 64.6,147.3 66.2,148.9 65.6,148.9 TP12.1@63.2,151.3 ; v1(56.568,60.525) 56.584,60.509 56.584,58.923 U1.19@56.6,58.907 56.623,58.884 56.623,58.061 57.603,57.081 58.153,57.081 58.407,56.827 C3.2@58.407,56.7 58.661,56.446 58.661,50.7 ; v1(56.747,68.419) 56.747,68.513 57.162,68.928 57.162,69.146 57.577,69.561 57.577,69.934 57.6,69.957 U1.64@57.6,70.407 57.6,72.08 C4.2@57.893,72.373 ; C4.2@57.893,72.5 C4.2@57.893,72.373 ; v1(58.3,68.4) 58.303,68.403 60.738,68.403 60.887,68.552 60.887,70.208 61.573,70.893 C2.2@61.7,70.893 61.827,70.893 63.308,69.413 63.574,69.413 64.801,68.186 64.801,66.464 63.95,65.613 U2.1@63.95,65.55 U2.4@61.85,65.55 ; v1(58.4,62.4) 58.403,62.403 59.597,62.403 59.616,62.384 60.304,62.384 60.823,61.865 60.823,60.557 61.573,59.807 R2.2@61.7,59.807 61.7,58.293 62.2,57.793 C1.2@62.2,56.693 ; 60.225,148.3 60.225,146.552 60.008,146.334 60.008,145.066 60.186,144.887 60.363,144.887 61.4,143.85 L1.2@61.7,143.85 ; C9.2@61.1,39.707 C8.2@62.8,39.707 C10.2@64.5,39.707 64.627,39.707 65.295,40.374 65.295,40.768 65.313,40.786 65.313,41.801 62.42,44.694 62.42,46.861 61.3,47.981 61.3,49.9 60.456,49.9 59.656,50.7 58.661,50.7 ; L1.2@61.8,143.65 L1.2@62.1,143.65 ; J15.1@77.98,86.759 78,86.739 80.899,86.739 80.919,86.719 82.222,85.416 82.222,74.933 81.829,75.326 80.775,75.326 79.873,76.229 78.861,76.229 78.682,76.051 78.682,74.218 79.136,73.764 80.104,73.764 80.588,73.281 80.588,72.666 80.403,72.482 80.403,71.756 80.312,71.756 80.08,71.989 80.08,73.07 79.931,73.219 78.527,73.219 C15.2@78.273,72.965 ; U4.3@78.017,75.149 78.017,74.674 78.273,74.418 C15.2@78.273,72.965 ; C4.2@57.893,72.373 58.147,72.119 58.274,72.119 58.493,71.9 77.381,71.9 78.273,72.792 C15.2@78.273,72.919 C15.2@78.273,72.965
  Bottom Layer w0.254: v1(49.639,69.348) 49.639,69.255 49.906,68.987 49.906,68.971 50.305,68.572 52.196,68.572 52.937,69.312 54.625,69.312 55.518,68.419 56.251,68.419 56.478,68.646 v1@56.922,68.646 ; v1(50.04,60.197) 50.718,59.519 51.532,59.519 51.681,59.37 51.681,59.022 51.849,58.854 56.451,58.854 56.6,59.003 56.6,60.494 v1(56.568,60.525) 56.568,60.547 58.4,62.379 v1(58.4,62.4) 58.4,67.168 56.948,68.62 v1@56.922,68.646 ; J7.1@50.59,76.5 50.59,76.397 51.167,75.82 51.167,71.449 50.768,71.05 50.204,71.05 49.247,72.007 49.247,78.326 63.381,92.46 63.381,105.582 62.318,106.645 57.015,106.645 J11.1@55.66,108 ; v1(58.3,68.4) 58.234,68.466 57.82,68.466 57.64,68.646 v1@56.922,68.646
5V: C14.2 U6.8 | length 4.7
  Top Layer w0.254: C14.2@62.725,101.41 62.852,101.41 64.742,103.3 U6.8@66.6,103.3
"5V INV A": C20_B.2 IC2_B.16 J1.1 J2.5 | length 79.1
  Top Layer w0.254: C20_B.2@75.186,57.625 75.44,57.371 75.44,56.395 75.934,55.9 IC2_B.16@75.934,54.625 75.934,54.2 75.186,53.452 75.186,51.565 74.279,50.659 74.279,42.179 74.428,42.031 100.669,42.031 102.121,43.483 102.121,57.777 101.973,57.925 99.779,57.925 J1.1@99.679,57.825 J1.1@95.339,57.825 95.329,57.835 J2.5@95.329,66.125 J2.5@99.658,66.125 J2.5@99.658,65.782
"5V INV B": C20_A.2 IC2_A.16 J5.1 J6.5 | length 76.7
  Top Layer w0.254: C20_A.2@75.573,135.287 75.827,135.033 75.827,134.12 76.251,133.695 76.251,132.298 IC2_A.16@76.263,132.287 76.263,131.862 74.666,130.265 74.666,120.435 75.377,119.725 100.355,119.725 101.166,120.535 101.166,135.138 101.017,135.287 99.356,135.287 J5.1@99.156,135.487 J5.1@94.816,135.487 94.837,135.508 J6.5@94.837,143.787 J6.5@99.166,143.787
"5V ISO": C13.2 U6.1 | length 3.7
  Top Layer w0.254: U6.1@75.65,103.3 76.475,103.3 76.765,103.01 C13.2@79.225,103.01
12V: C12.2 J8.4 J8.5 J8.10 J8.11 J9.4 J9.5 J9.10 J9.11 R9.2 R10.2 R11.2 R12.2 R13.2 TP1.1 U3.1 | length 149.5
  Top Layer w0.254: J8.11@31.4,131.2 J8.5@34.9,131.2 36.381,129.719 36.381,128.604 39.724,125.261 39.724,125.237 40.237,124.724 40.963,124.724 43.012,126.773 45.604,126.773 46.855,128.024 46.855,131.678 45.698,132.835 R9.2@45.698,132.962 R10.2@45.698,134.562 45.698,134.689 47.125,136.116 47.471,136.116 48.667,137.311 48.667,137.467 48.721,137.521 48.721,139.593 48.034,140.279 48.034,142.434 48.179,142.579 48.179,144.734 48.001,144.913 46.592,144.913 C12.2@45.907,144.227 ; J8.10@31.4,134.7 J8.4@34.9,134.7 ; J9.5@34.9,58.2 J9.11@31.4,58.2 J9.10@31.4,61.7 J9.4@34.9,61.7 ; TP1.1@41.2,152.1 43.117,152.1 45.777,149.44 R11.2@45.777,149.313 45.907,149.183 R13.2@45.907,145.9 C12.2@45.907,144.227 ; U3.1@45.083,141.613 45.083,143.15 C12.2@45.907,143.973 ; C12.2@45.907,144.1 C12.2@45.907,144.227
  Bottom Layer w0.254: J9.10@31.4,61.7 31.475,61.775 31.475,63.181 32.881,64.587 32.881,65.813 31.744,66.95 31.056,66.95 24.374,73.631 24.3,73.706 24.3,93.9 25.766,95.366 25.871,95.366 25.91,95.366 ccw(c26.408,96.883) 27.925,97.381 27.925,97.42 27.925,97.525 32.035,101.635 32.035,104.822 32.5,105.287 32.5,115.725 32.035,116.19 32.035,121.874 29.919,123.99 29.919,129.719 J8.11@31.4,131.2
12VP: C11.2 C18.1 D1.K R14.2 TP2.1 U3.10 U5.4 U5.5 | length 36.8
  Top Layer w0.254: TP2.1@40.6,125.6 43.277,128.277 44.577,128.277 D1.K@45.3,129 45.3,130.907 45.714,131.322 R14.2@45.714,131.449 45.714,131.576 45.46,131.83 45.43,131.83 44.8,132.459 44.8,136.766 45.083,137.05 U3.10@45.083,138.613 46.666,138.613 47.273,138.007 C11.2@47.4,138.007 ; U5.4@53.85,146.25 53.85,145.569 53.454,145.173 53.392,145.173 52.995,144.776 52.995,142.122 55.895,139.222 C18.1@56.048,139.222
  Bottom Layer w0.254: v1(47.322,138.019) 54.722,138.019 v1(55.922,139.219)